# Altium PCB Science.PcbDoc (part 2 of 2)
Units mil, origin at the board's own origin, x right, y up, seen from the top; angles counter-clockwise.
Board outline 3573.07 x 2686.03 mil, 4 copper layers (Top Layer, Ground, Power, Bottom Layer), stack 23.756 mil thick; 94 components, 71 nets, 408 pads, 466 vias.
Unrouted connection lines stored in the file: 70.
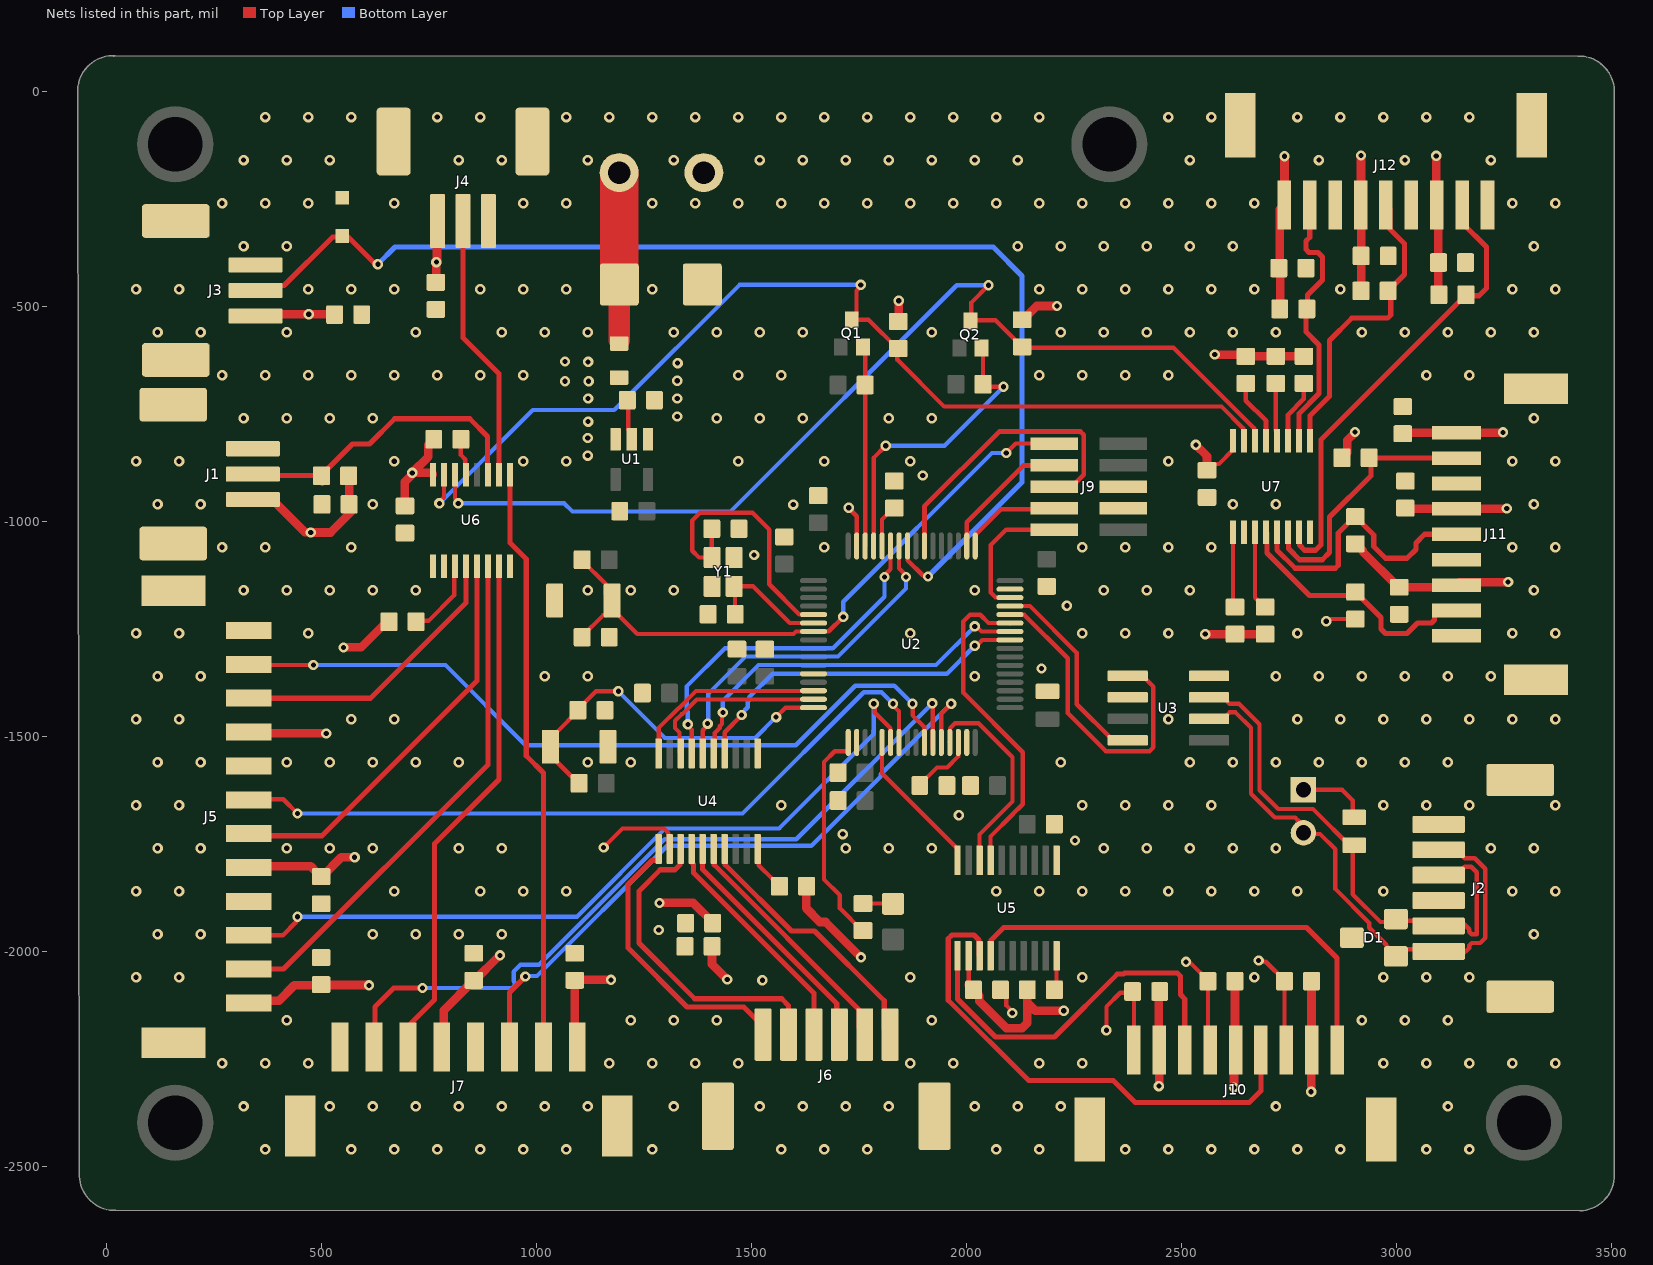
[diagram p4: the nets of this part, all layers, seen from the top]

## Via types
v1: diameter 24, hole 12, Top Layer to Bottom Layer, 357 vias
v2: diameter 24, hole 12, Top Layer to Bottom Layer, tented both sides, 109 vias

## Nets (pads, with @x,y where several pads share a name; then routed paths per layer and width w, separated by ;. In a path a pad name is that pad's centre, name@x,y a point inside that pad or via, vN(x,y) a via of type N, cw(c..) or ccw(c..) an arc to the next point about the centre after c; other vN are vias at no path point) (continued)
5V: C1.2 C2.2 C3.2 C4.2 C5.2 C6.2 C7.2 C8.2 C9.2 C25.2 C27.2 C29.2 C30.2 C31.2 C32.2 C33.2 C34.2 C35.2 C36.2 C37.2 C38.2 C39.2 F1.2 J1.3 J3.3 J4.3 J5.1 J5.5 J5.9 J7.1 J7.5 J10.2 J10.5 J10.8 J11.1 J11.4 J11.7 J12.1 J12.4 J12.7 R1.2 R2.2 R3.2 R4.2 R5.2 R6.2 R7.2 R14.2 R15.1 R17.2 R18.1 R19.1 R20.1 R21.1 R22.1 R23.1 R24.2 R25.2 U1.1 U1.3 U4.2 U5.2 U6.16 U7.16 | length 6899.1
  Top Layer w10: R1.2@563.99,-894 R1.2@565.04,-895.05 ; C4.2@565.04,-960.23 C4.2@565.11,-960.3 ; v2(1157,-1758) 1200.95,-1714.05 1297.07,-1714.05 1307.98,-1724.95 1307.98,-1759.02 U4.2@1310.46,-1761.5 ; U5.2@2005.43,-2010 2005.85,-2010.41 C27.2@2005.85,-2077.84 ; C30.2@2560,-881.01 2574.69,-866.32 2587.48,-866.32 2620.43,-833.37 U7.16@2620.43,-812.7 ; v2(2837,-1232) 2840.79,-1232 2845.8,-1226.99 R4.2@2905,-1226.99
  Top Layer w20: J5.1@311.99,-2126 323.5,-2114.48 402.08,-2114.48 437.88,-2078.69 498.3,-2078.69 499.03,-2077.96 610.82,-2077.96 v2(611.58,-2078.72) ; J5.9@322.15,-1486 328.39,-1492.23 511.23,-1492.23 v2(512,-1493) ; J5.5@328.58,-1802 475.99,-1802 488.35,-1814.35 488.35,-1816.32 498.03,-1826.01 C6.2@500,-1826.01 ; J1.3@330.52,-949.5 387.06,-949.5 462.64,-1025.08 475.36,-1025.08 v2(476.12,-1025.85) 521.86,-1025.85 C4.2@568.71,-979 ; J3.3@364.43,-518.37 C7.2@528.55,-518.37 ; C6.2@501.97,-1826.01 546.98,-1781 v2(578,-1781) ; v2(552,-1293) 593.01,-1293 R20.1@655.51,-1230.5 ; C4.2@565.04,-960.23 R1.2@565.04,-895.05 ; C29.2@695,-964 695,-907.79 712,-890.79 v2(712,-887) ; U6.16@760,-891.4 760,-888.89 758.11,-887 v2(712,-887) ; R19.1@762.01,-809 749.56,-821.45 749.56,-849.44 v2(712,-887) ; C8.2@767,-444 768,-443 v2(768,-397) 769.47,-395.53 769.47,-303.23 J4.3@770.94,-301.76 ; J7.5@785,-2254.94 785,-2136.99 C38.2@855,-2066.99 ; C38.2@855,-2068.96 914.96,-2009 v2(916,-2009) ; J7.1@1090.75,-2233.96 1090,-2233.21 C39.2@1090,-2066.99 1090.99,-2066 v2(1174,-2066) ; v2(1287,-1887) 1365.46,-1887 1412.46,-1934 C25.2@1410.5,-1934 ; C34.2@1408.96,-1988 1408.96,-2029.5 v2(1444.46,-2065) ; R15.1@1627.85,-1848.82 1627.85,-1899.65 1659.55,-1931.36 1672.95,-1931.36 v2(1755.3,-2013.7) ; R14.2@1842,-535 1843,-534 v2(1843,-487) ; C27.2@2005.85,-2077.84 C27.2@2017.01,-2089 2030.63,-2102.62 2030.63,-2115.63 2093,-2178 2130.29,-2178 2142.01,-2166.28 2142.01,-2119.01 ; R17.2@2130,-531.01 2131.97,-531.01 2163.98,-499 v2(2211,-499) ; R18.1@2142.01,-2089 2142.01,-2119.01 ; v2(2226.7,-2137.7) 2160.7,-2137.7 2142.01,-2119.01 ; v2(2448,-2313) 2448.57,-2312.43 2448.57,-2229.57 J10.8@2449.13,-2229 ; J10.8@2448,-2230.13 2448,-2092 C3.2@2454,-2086 ; v2(2534,-822) 2560,-848 C30.2@2560,-881.01 ; v2(2556,-1262) R23.1@2625,-1261.99 R22.1@2695,-1261.99 ; v2(2578,-612) 2645.99,-612 R21.1@2650,-616.01 R25.2@2720,-616.01 R24.2@2785,-616.01 ; v2(2622.67,-2316.4) 2622.67,-2230.03 2625,-2227.7 C2.2@2625,-2069 C2.2@2629,-2065 ; C35.2@2719.02,-411.97 C35.2@2726.01,-411.97 ; C35.2@2727.01,-411 2728.98,-409.03 2728.98,-274.75 J12.1@2739.72,-264 2740,-263.72 v2(2740,-151) ; R5.2@2730,-488.17 2730,-409.96 C35.2@2731.01,-410.97 ; v2(2802,-2326) 2802,-2230.46 J10.2@2803.46,-2229 2802.99,-2228.53 C1.2@2802.99,-2069 C1.2@2811,-2060.99 ; R2.2@2874.01,-852 2885.74,-840.27 2885.74,-811.92 2904,-793.66 v2(2904,-792) ; R3.2@2905,-1051.99 2906.97,-1051.99 2921.65,-1066.68 2921.65,-1069.62 3005.03,-1153 C33.2@3007,-1153 3135.06,-1153 J11.7@3140,-1148.06 3147.06,-1141 v2(3260,-1141) ; R6.2@2918.01,-464 2918.37,-463.64 C36.2@2918.37,-382.68 2918.37,-265.48 J12.4@2916.89,-264 2918,-262.89 v2(2918,-149) ; C31.2@3015,-796 3017.28,-793.72 v2@3246.19,-793.72 ; C32.2@3021,-968.99 3022.9,-970.89 J11.4@3140,-970.89 3140.44,-970.44 3256.56,-970.44 v2(3257,-970) ; v2(3093,-150) 3093,-262.94 J12.7@3094.06,-264 3098.01,-267.95 C37.2@3098.01,-398 3098.01,-472.01 R7.2@3099,-473
  other v2: 1120,-847 1120,-806 3248,-793 1121,-768 1328,-756 1121,-714 1328,-714 1067,-674 1122,-674 1328,-673 1329,-632 1121,-629 1067,-628 471.5,-518.37
CAN_RX: U2.45 U3.4 | length 473
  Top Layer w10: U2.45@2101.69,-1196.83 2148.19,-1196.83 2257,-1305.65 2257,-1424.94 2341.06,-1509 U3.4@2375.51,-1509
CAN_TX: U2.44 U3.1 | length 754.7
  Top Layer w10: U2.44@2101.69,-1216.52 2102.04,-1216.87 2134.68,-1216.87 2236,-1318.18 2236,-1445.49 2324.82,-1534.3 2426.21,-1534.3 2435.26,-1525.25 2435.26,-1384.3 2409.96,-1359 U3.1@2375.51,-1359
CANA_N: D1.1 H1.2 J2.1 J2.5 U3.6 | length 1368
  Top Layer w10: U3.6@2564.49,-1459 2598.94,-1459 2606.24,-1451.7 2606.24,-1449.86 2612.1,-1444 2626.24,-1444 2662,-1479.76 2662,-1633.14 2717.39,-1688.53 2764.79,-1688.53 2774.61,-1698.36 2774.61,-1714.61 H1.2@2784,-1724 2786.67,-1726.67 2822.67,-1726.67 2858.44,-1762.44 2858.44,-1854.82 2937.38,-1933.76 2937.38,-1944.9 2976.62,-1984.14 2976.62,-1985.68 2995.24,-2004.31 D1.1@3003.12,-2004.31 ; D1.1@2999.18,-2011.31 3015.93,-1994.56 3137.06,-1994.56 3151.85,-2009.35 3169.49,-1991.72 3169.49,-1985.84 3175.35,-1979.98 3195.26,-1979.98 3206.98,-1968.27 3206.98,-1807.42 3182.55,-1782.99 3159.11,-1782.99 3139.58,-1763.46 J2.5@3098.24,-1763.46
CANA_P: D1.2 J2.2 J2.4 R12.1 U3.7 | length 1265.1
  Top Layer w10: U3.7@2564.49,-1409 2598.94,-1409 2606.24,-1416.3 2606.24,-1418.14 2612.1,-1424 2634.52,-1424 2682,-1471.48 2682,-1624.86 2725.67,-1668.53 2806.53,-1668.53 2899,-1761 2899,-1867.1 2963.48,-1931.58 2986.3,-1931.58 3000.18,-1917.69 3003.12,-1917.69 3014.01,-1928.59 3149.82,-1928.59 3169.49,-1948.25 3169.49,-1954.13 3175.35,-1959.98 3186.98,-1959.98 3186.98,-1815.7 3174.27,-1802.99 3159.11,-1802.99 3139.58,-1822.52 J2.4@3098.24,-1822.52
"DHT22 - OUT": J1.2 R1.1 U6.11 | length 768
  Top Layer w12: J1.2@286.92,-893 500,-893 R1.1@501,-894 501,-892.03 573.26,-819.77 612.7,-819.77 671.27,-761.19 845.65,-761.19 887.06,-802.6 887.06,-890.51 U6.11@887.95,-891.4 ; R1.1@502.54,-911.72 R1.1@502.54,-906.72
DIR_BLOWER: J7.2 U6.9 | length 1372.8
  Top Layer w12: U6.9@939.13,-891.4 939.13,-1049.75 977,-1087.62 977,-1545.05 1016.85,-1584.9 J7.2@1016.85,-2232.05
DIR_DIG: J7.6 U6.7 | length 1217
  Top Layer w12: J7.6@701.89,-2232.05 709.15,-2224.78 709.15,-2166.85 764,-2112 764,-1749.6 913.54,-1600.06 U6.7@913.54,-1104 U6.7@914.43,-1104.89
DIR_LIFTA: J5.6 U6.5 | length 951.2
  Top Layer w12: J5.6@326.96,-1731 501.85,-1731 862.36,-1370.49 U6.5@862.36,-1104
DIR_LIFTB: J5.2 U6.6 | length 1214.5
  Top Layer w12: J5.2@332,-2040.92 412.8,-2040.92 887.95,-1565.77 U6.6@887.95,-1104
DIR_TEST_TUBE: J5.10 U6.4 | length 687.4
  Top Layer w12: J5.10@326.46,-1411 615,-1411 836.77,-1189.23 U6.4@836.77,-1104
GND: C1.1 C2.1 C3.1 C4.1 C5.1 C6.1 C7.1 C8.1 C9.1 C10.1 C11.1 C12.1 C13.1 C14.1 C15.1 C16.2 C17.1 C18.1 C19.1 C20.1 C21.1 C22.1 C23.1 C24.1 C25.1 C26.2 C27.1 C28.2 C29.1 C30.1 C31.1 C32.1 C33.1 C34.1 C35.1 C36.1 C37.1 C38.1 C39.1 D1.3 D2.2 D3.1 J1.0 J1.1 J2.0 J2.3 J2.6 J3.0 J3.1 J4.0 J4.1 J5.0 J5.4 J5.8 J5.12 J6.0 J7.0 J7.4 J7.8 J8.1 J9.3 J9.5 J10.0 J10.3 J10.6 J10.9 J11.0 J11.3 J11.6 J11.9 J12.0 J12.3 J12.6 J12.9 R8.2 S1.2 S2.1 U1.2 U2.12 U2.18 U2.31 U2.47 U2.63 U3.2 U3.8 U4.11 U5.11 U6.1 U6.2 U6.8 U7.2 U7.8 Y1.2 Y1.4 | length 986.9
  Top Layer w10: C9.1@1213.96,-731 1213.96,-785.79 1222.4,-794.24 U1.2@1222.4,-809 ; v2(1727,-968) 1727,-969.4 1745.39,-987.79 U2.63@1745.39,-1057.07 ; C27.1@2080,-2089 2093.44,-2102.44 2093.44,-2125.65 2107,-2139.21 v2(2107,-2143) ; v2(2326,-2183) 2326,-2128.11 2358.17,-2095.94 2384.06,-2095.94 C3.1@2387,-2093 2390.08,-2096.08 J10.9@2390.08,-2229 ; v2(2511,-2024) 2513.68,-2026.68 2521.66,-2026.68 2562.01,-2067.03 C2.1@2562.01,-2069 2562.01,-2223.76 J10.6@2567.24,-2229 ; v2(2680,-2021) 2682.68,-2023.68 2696.65,-2023.68 2740,-2067.03 C1.1@2740,-2069 2740,-2224.59 J10.3@2744.41,-2229
  other v1: 370,-2460 570,-2460 670,-2460 770,-2460 870,-2460 970,-2460 1070,-2460 1270,-2460 1570,-2460 1670,-2460 1770,-2460 2070,-2460 2170,-2460 2370,-2460 2470,-2460 2570,-2460 2670,-2460 2770,-2460 2870,-2460 3070,-2460 3170,-2460 320,-2360 520,-2360 620,-2360 720,-2360 820,-2360 920,-2360 1020,-2360 1120,-2360 1320,-2360 1520,-2360 1620,-2360 1720,-2360 1820,-2360 2020,-2360 2120,-2360 2220,-2360 2720,-2360 3120,-2360 270,-2260 370,-2260 470,-2260 1170,-2260 1270,-2260 1370,-2260 1470,-2260 1870,-2260 1970,-2260 2170,-2260 2270,-2260 2970,-2260 3070,-2260 3170,-2260 3270,-2260 3370,-2260 420,-2160 1220,-2160 1320,-2160 1420,-2160 1920,-2160 2920,-2160 3020,-2160 3120,-2160 1526,-2067 70,-2060 170,-2060 1870,-2060 2270,-2060 2670,-2060 2970,-2060 3070,-2060 3170,-2060 120,-1960 220,-1960 620,-1960 720,-1960 820,-1960 920,-1960 3320,-1960 1285,-1950 70,-1860 170,-1860 670,-1860 870,-1860 970,-1860 1070,-1860 2070,-1860 2170,-1860 2270,-1860 2370,-1860 2470,-1860 2570,-1860 2670,-1860 2770,-1860 2970,-1860 3270,-1860 3370,-1860 120,-1760 220,-1760 420,-1760 520,-1760 620,-1760 820,-1760 920,-1760 1720,-1760 1820,-1760 1920,-1760 2320,-1760 2420,-1760 2520,-1760 2620,-1760 2720,-1760 3220,-1760 3320,-1760 70,-1660 170,-1660 1570,-1660 2270,-1660 2370,-1660 2470,-1660 2570,-1660 2970,-1660 3070,-1660 3170,-1660 3370,-1660 120,-1560 220,-1560 420,-1560 520,-1560 620,-1560 720,-1560 820,-1560 1120,-1560 1220,-1560 2220,-1560 2520,-1560 2620,-1560 2720,-1560 2820,-1560 2920,-1560 3020,-1560 3120,-1560 70,-1460 170,-1460 570,-1460 670,-1460 2470,-1460 2770,-1460 2870,-1460 2970,-1460 3070,-1460 3170,-1460 3270,-1460 3370,-1460 120,-1360 220,-1360 1020,-1360 1120,-1360 2020,-1360 2720,-1360 2820,-1360 2920,-1360 3020,-1360 3120,-1360 3220,-1360 70,-1260 170,-1260 470,-1260 1870,-1260 2270,-1260 2370,-1260 2470,-1260 2770,-1260 3270,-1260 3370,-1260 320,-1160 420,-1160 520,-1160 620,-1160 720,-1160 1120,-1160 1220,-1160 1320,-1160 2020,-1160 2320,-1160 2420,-1160 2520,-1160 3320,-1160 1507,-1078 270,-1060 370,-1060 570,-1060 1670,-1060 2270,-1060 2370,-1060 2470,-1060 2570,-1060 3270,-1060 3370,-1060 120,-960 220,-960 620,-960 2620,-960 2720,-960 3320,-960 70,-860 170,-860 670,-860 970,-860 1070,-860 1470,-860 1670,-860 1870,-860 2470,-860 3270,-860 3370,-860 320,-760 420,-760 520,-760 620,-760 1420,-760 1520,-760 1620,-760 1820,-760 1920,-760 3320,-760 270,-660 370,-660 470,-660 570,-660 670,-660 770,-660 870,-660 970,-660 1470,-660 1570,-660 2170,-660 2270,-660 2370,-660 2470,-660 3070,-660 3170,-660 120,-560 220,-560 420,-560 720,-560 920,-560 1020,-560 1120,-560 1320,-560 1420,-560 1520,-560 1620,-560 1920,-560 2220,-560 2320,-560 2420,-560 2520,-560 2620,-560 2720,-560 2920,-560 3020,-560 3120,-560 3220,-560 3320,-560 70,-460 170,-460 470,-460 570,-460 670,-460 870,-460 970,-460 1070,-460 1270,-460 2170,-460 2270,-460 2370,-460 2470,-460 2570,-460 2670,-460 2870,-460 3270,-460 3370,-460 320,-360 420,-360 2120,-360 2220,-360 2320,-360 2420,-360 2520,-360 2620,-360 3320,-360 270,-260 370,-260 470,-260 670,-260 970,-260 1070,-260 1270,-260 1370,-260 1470,-260 1570,-260 1670,-260 1770,-260 1870,-260 1970,-260 2070,-260 2170,-260 2270,-260 2370,-260 2470,-260 2570,-260 2670,-260 3270,-260 3370,-260 320,-160 420,-160 520,-160 820,-160 920,-160 1120,-160 1320,-160 1520,-160 1620,-160 1720,-160 1820,-160 1920,-160 2020,-160 2120,-160 2520,-160 2820,-160 3020,-160 3220,-160 370,-60 470,-60 570,-60 770,-60 870,-60 1070,-60 1170,-60 1270,-60 1370,-60 1470,-60 1570,-60 1670,-60 1770,-60 1870,-60 1970,-60 2070,-60 2170,-60 2470,-60 2570,-60 2770,-60 2870,-60 2970,-60 3070,-60 3170,-60
  other v2: 2253,-1742 1713,-1727 1983,-1683 2175,-1342 2234,-1196 1598,-961 1899,-893
I2C_SCL_3V3: Q2.2 R16.1 U2.61 | length 711.3
  Top Layer w10: U2.61@1784.42,-1057.42 U2.61@1784.76,-1057.07 1784.76,-852.24 v2(1813,-824) ; Q2.2@2035.59,-596.99 2038.99,-600.39 R16.1@2038.99,-681 2044.89,-686.9 v2(2086.69,-686.9)
  Bottom Layer w10: v2(1813,-824) 1949.59,-824 v2(2086.69,-686.9)
I2C_SCL_5V0: Q2.3 R17.1 U6.14 U7.14 | length 2418
  Top Layer w10: U6.14@811.18,-891.4 811.18,-946.39 819,-954.21 v2(819,-958) ; v2(2052,-451) 2011.99,-491.01 2011.99,-532.01 2068.01,-532.01 2132,-596 2482.16,-596 2669.72,-783.57 2669.72,-810.81 U7.14@2671.61,-812.7
  Bottom Layer w10: v2(819,-958) 1065.49,-958 1084.49,-977 1452.18,-977 1978.18,-451 v2(2052,-451)
I2C_SDA_3V3: Q1.2 R13.1 U2.62 | length 465.2
  Top Layer w10: Q1.2@1760,-594 1765.08,-599.08 R13.1@1765.08,-682.73 U2.62@1765.08,-1057.07
I2C_SDA_5V0: Q1.3 R14.1 U6.15 U7.15 | length 2410.6
  Top Layer w10: v2(775,-958) 775,-954.21 785.59,-943.62 U6.15@785.59,-891.4 ; v2(1755,-450) 1755,-453.79 1745.16,-463.63 1745.16,-520.26 Q1.3@1734.41,-531.01 1773.05,-531.01 R14.1@1840.03,-597.99 ; R14.1@1840,-598.02 1840,-624.21 1948.68,-732.89 2593.45,-732.89 2644.13,-783.57 2644.13,-810.81 U7.15@2646.02,-812.7
  Bottom Layer w10: v2(775,-958) 992,-741 1181.82,-741 1472.82,-450 v2(1755,-450)
JTDI: J9.8 U2.50 | length 314
  Top Layer w11: U2.50@2001.3,-1057.07 2001.3,-1001.7 2133,-870 2204,-870 J9.8@2205,-869
JTDO/TRACESWO: J9.6 U2.55 | length 710.2
  Top Layer w11: U2.55@1902.87,-1057.07 1903.03,-1056.92 1903.03,-964.97 2077,-791 2265.59,-791 2273.5,-798.91 2273.5,-891 2245.5,-919 J9.6@2205,-919
LED_G_n: R11.2 U2.17 | length 517.5
  Top Layer w10: U2.17@1725.71,-1513.76 1725.71,-1533.52 1724.87,-1534.35 1694.24,-1534.35 1669.32,-1559.27 1669.32,-1832.34 1706.34,-1869.35 1706.34,-1899.59 1758.03,-1951.28 R11.2@1760,-1951.28
LIFTA_ENC_CHANNEL_A_3V3: U2.41 U4.14 | length 815.9
  Top Layer w10: U4.14@1438.41,-1539.5 1438.41,-1489.99 1477.8,-1450.6 v2(1477.8,-1450.06) ; v2(2020,-1289) 2023.79,-1289 2037.21,-1275.57 U2.41@2101.69,-1275.57
  Bottom Layer w10: v2(1477.8,-1450.06) 1477.8,-1446.27 1492.04,-1432.03 1492.04,-1419.04 1495.48,-1415.59 1495.48,-1408.52 1550,-1354 1955,-1354 v2(2020,-1289)
LIFTA_ENC_CHANNEL_A_5V: J6.4 U4.5 | length 613.2
  Top Layer w12: U4.5@1387.23,-1761.5 1387.23,-1809.32 1698.92,-2121.01 1698.92,-2235.6 J6.4@1706,-2242.69
LIFTA_ENC_CHANNEL_B_3V3: U2.42 U4.15 | length 875.6
  Top Layer w10: U4.15@1412.82,-1539.5 1415.3,-1537.02 1415.3,-1491.88 1427,-1480.18 1427,-1476.09 1432,-1471.09 1432,-1446.3 v2(1434.21,-1444.09) ; v2(2020,-1244) 2023.79,-1244 2035.68,-1255.89 U2.42@2101.69,-1255.89
  Bottom Layer w10: v2(1434.21,-1444.09) 1434.21,-1416.79 1517,-1334 1930,-1334 v2(2020,-1244)
LIFTA_ENC_CHANNEL_B_5V: J6.3 U4.4 | length 549.3
  Top Layer w12: U4.4@1361.64,-1761.5 1363.12,-1762.98 1363.12,-1794.35 1365.75,-1796.98 1365.75,-1816.79 1645.94,-2096.99 J6.3@1645.94,-2193
LIFTB_ENC_CHANNEL_A_3V3: U2.58 U4.16 | length 810.9
  Top Layer w10: U4.16@1387.23,-1539.5 1387.23,-1485.36 1398.71,-1473.88 v2(1398.71,-1470.09) ; U2.58@1843.82,-1057.07 1843.82,-1109.03 1860,-1125.21 v2(1860,-1129)
  Bottom Layer w10: v2(1398.71,-1470.09) 1400,-1468.8 1400,-1401 1487,-1314 1702,-1314 1860,-1156 v2(1860,-1129)
LIFTB_ENC_CHANNEL_A_5V: J6.6 U4.7 | length 624.3
  Top Layer w12: U4.7@1439.89,-1760.02 U4.7@1438.41,-1761.5 1439.89,-1762.98 1439.89,-1798.46 1593.79,-1952.36 1647.36,-1952.36 1809.43,-2114.43 1809.43,-2179.31 J6.6@1823.11,-2193
LIFTB_ENC_CHANNEL_B_3V3: U2.59 U4.17 | length 830.7
  Top Layer w10: v2(1352.83,-1471.83) 1352.83,-1475.62 1361.64,-1484.43 U4.17@1361.64,-1539.5 ; v2(1810,-1129) 1810,-1125.21 1824.13,-1111.08 U2.59@1824.13,-1057.07
  Bottom Layer w10: v2(1352.83,-1471.83) 1352.83,-1442.66 1350,-1439.83 1350,-1384 1439,-1295 1690,-1295 1810,-1175 v2(1810,-1129)
LIFTB_ENC_CHANNEL_B_5V: J6.5 U4.6 | length 580.3
  Top Layer w12: U4.6@1414.3,-1760.02 U4.6@1412.82,-1761.5 1414.3,-1762.98 1414.3,-1798.46 1750.37,-2134.53 1750.37,-2176.37 J6.5@1767,-2193
LIM_SW1: J11.8 R4.1 U7.4 | length 619.1
  Top Layer w10: U7.4@2697.2,-1025.3 U7.4@2699.09,-1027.19
  Top Layer w12: U7.4@2699.09,-1027.19 2699.09,-1073.09 2798.07,-1172.07 2896.93,-1172.07 R4.1@2905,-1164 2964.35,-1223.35 2964.35,-1250.17 2974.85,-1260.68 3025.15,-1260.68 3049.41,-1236.42 3081.88,-1236.42 3088.91,-1229.39 3088.91,-1216.86 3098.66,-1207.11 J11.8@3140,-1207.11
LIM_SW2: J11.5 R3.1 U7.5 | length 658.5
  Top Layer w12: U7.5@2722.8,-1025.3 2722.8,-1066.8 2765,-1109 2857.97,-1109 2865,-1101.97 2865,-1027.03 2903.03,-989 R3.1@2905,-989 2906.97,-989 2920.65,-1002.69 2920.65,-1004.65 2947.75,-1031.75 2947.75,-1058.58 2974.85,-1085.68 3025.15,-1085.68 3045.55,-1065.28 3045.55,-1050.34 3065.94,-1029.94 J11.5@3140,-1029.94
LIM_SW3: J11.2 R2.1 U7.6 | length 605.6
  Top Layer w12: U7.6@2748.39,-1025.3 2749.28,-1026.19 2749.28,-1063.28 2775,-1089 2827.97,-1089 2845,-1071.97 2845,-989.59 2940.98,-893.61 2940.98,-859.81 2948.01,-852.78 J11.2@3140,-852.78
LIM_SW4: J12.8 R7.1 U7.7 | length 1083
  Top Layer w12: U7.7@2773.98,-1025.3 2774.87,-1026.19 2774.87,-1054.85 2786.88,-1066.86 2812.26,-1066.86 2825,-1054.11 2825,-809.99 3146.34,-488.65 3148.31,-488.65 3161.99,-474.97 R7.1@3161.99,-473 ; J12.8@3153.11,-264 3153.11,-305.34 3209.93,-362.16 3209.93,-458.01 3192.65,-475.29 3170.08,-475.29 R7.1@3165.66,-470.87
LIM_SW5: J12.5 R6.1 U7.9 | length 708.7
  Top Layer w12: U7.9@2799.57,-812.7 2799.57,-754.43 2845,-709 2845,-579 2896.64,-527.36 2979.96,-527.36 2986.99,-520.33 R6.1@2986.99,-464 ; J12.5@2975.94,-264 2985.69,-273.75 2985.69,-320.82 3019,-354.13 3019,-426 R6.1@2981,-464
LIM_SW6: J12.2 R5.1 U7.10 | length 628.8
  Top Layer w12: U7.10@2773.98,-812.7 2773.98,-749.43 2820.65,-702.75 2820.65,-589.57 2790,-558.92 2790,-506 2793.62,-502.38 2793.62,-473.38 2828.69,-438.31 2828.69,-384.85 2818.18,-374.35 2797.03,-374.35 2790,-367.32 2790,-347.87 2798.78,-339.09 J12.2@2798.78,-264
NetC11_2: C11.2 U2.6 Y1.1 | length 285.9
  Top Layer w10: C11.2@1463,-1216 1462.27,-1215.27 1462.27,-1152.65 Y1.1@1460.55,-1150.93 1504.44,-1150.93 1589.72,-1236.2 U2.6@1645,-1236.2
NetC12_2: C12.2 U2.5 Y1.3 | length 645.3
  Top Layer w10: C12.2@1408.5,-1024 1408.5,-1083.13 Y1.3@1409.37,-1084 1379,-1084 1363,-1068 1363,-998 1381,-980 1503,-980 1542,-1019 1542,-1146.16 1612.01,-1216.17 1644.65,-1216.17 U2.5@1645,-1216.52
NetC14_2: C14.2 U2.30 | length 151.4
  Top Layer w10: C14.2@1892.01,-1614 1892.01,-1612.03 1931.99,-1572.05 1955.97,-1572.05 1981.27,-1546.75 1981.27,-1514.11 U2.30@1981.61,-1513.76
NetC15_2: C15.2 R10.1 S2.2 U2.16 | length 868.6
  Top Layer w10: R10.1@1100,-1609 1100,-1607.03 1085.31,-1592.35 1081.73,-1592.35 1033.07,-1543.68 S2.2@1033.07,-1524 1033.07,-1504.32 1047.76,-1489.63 1048.35,-1489.63 1097.01,-1440.97 C15.2@1097.01,-1439 1097.01,-1437.03 1139.04,-1395 1191,-1395 v2(1191.28,-1394.72) ; v2(1558,-1455) 1579.94,-1433.06 U2.16@1645,-1433.06
  Bottom Layer w10: v2(1191.28,-1394.72) 1191.28,-1395.28 1299.35,-1503.35 1509.65,-1503.35 v2(1558,-1455)
NetD2_1: D2.1 F1.1 J8.2 | length 395
  Top Layer w50: F1.1@1193.54,-579 D2.1@1193.54,-449
  Top Layer w90: D2.1@1193.15,-454 J8.2@1193.15,-189
NetH1_1: H1.1 R12.2 | length 200.7
  Top Layer w10: H1.1@2764.04,-1604.04 H1.1@2784,-1624 2874.12,-1624 2899,-1648.88 R12.2@2899,-1696.04
NetLED1_2: LED1.2 R11.1 | length 75.4
  Top Layer w10: R11.1@1763.63,-1891.92 R11.1@1760,-1888.29 1829.29,-1888.29 LED1.2@1830,-1889
NetR8_1: R8.1 U2.60 | length 101.1
  Top Layer w10: U2.60@1804.45,-1057.07 1804.45,-995.58 1831.03,-969 R8.1@1833,-969
NetR15_2: R15.2 U4.10 | length 108.7
  Top Layer w10: U4.10@1515.18,-1761.5 1517.66,-1763.98 1517.66,-1799.66 1549.35,-1831.35 1551.31,-1831.35 1566,-1846.03 R15.2@1566,-1848
NetR18_2: R18.2 U5.10 | length 81.1
  Top Layer w10: R18.2@2205,-2089 2210.16,-2083.84 U5.10@2210.16,-2010
NetR19_2: R19.2 U6.13 | length 87.3
  Top Layer w10: R19.2@825,-809 825,-845.65 834.88,-855.54 834.88,-889.51 U6.13@836.77,-891.4
NetR20_2: R20.2 U6.3 | length 182.2
  Top Layer w10: R20.2@721,-1233 722.83,-1231.17 749.83,-1231.17 809.29,-1171.71 809.29,-1105.89 U6.3@811.18,-1104
NetR21_2: R21.2 U7.13 | length 153.3
  Top Layer w11: R21.2@2650,-679 2650,-719.01 2697.2,-766.21 U7.13@2697.2,-812.7
NetR22_2: R22.2 U7.3 | length 184.5
  Top Layer w10: U7.3@2671.61,-1025.3 2671.61,-1177.58 2693.03,-1199 R22.2@2695,-1199
NetR23_2: R23.2 U7.1 | length 175.6
  Top Layer w10: U7.1@2620.43,-1025.3 2620.43,-1194.43 R23.2@2625,-1199
NetR24_1: R24.1 U7.11 | length 148.9
  Top Layer w11: U7.11@2748.39,-812.7 2748.39,-751.69 2785,-715.07 R24.1@2785,-679
NetR25_1: R25.1 U7.12 | length 134.9
  Top Layer w11: R25.1@2720,-679 2720,-789.24 2722.8,-792.03 U7.12@2722.8,-812.7
NRST: C13.2 J9.10 R9.1 S1.1 U2.7 | length 1497.9
  Top Layer w10: C13.2@1107.01,-1269 1107.01,-1267.03 1155.67,-1218.37 1162.24,-1218.37 S1.1@1176.93,-1203.68 ; R9.1@1107.01,-1089 1107.01,-1090.97 1162.24,-1146.2 1162.24,-1169.31 S1.1@1176.93,-1184 S1.1@1176.93,-1203.68 ; v2(1714,-1222) 1680.46,-1255.54 1645.35,-1255.54 U2.7@1645,-1255.89 1604.36,-1255.89 1598.5,-1261.75 1234.99,-1261.75 S1.1@1176.93,-1203.68 ; v2(2093,-841) 2115,-819 J9.10@2205,-819
  Bottom Layer w10: v2(1714,-1222) 1714,-1186.82 2059.82,-841 v2(2093,-841)
PWM_BLOWER: J7.3 U2.28 | length 1561.4
  Top Layer w10: U2.28@1942.24,-1513.76 1942.24,-1446.76 v2(1965,-1424)
  Top Layer w12: J7.3@938,-2249.34 938,-2095 v2(975,-2058)
  Bottom Layer w10: v2(975,-2058) 976,-2057 1002,-2057 1305,-1754 1640,-1754 1801.16,-1592.84 1801.16,-1587.84 v2(1965,-1424)
PWM_DIG: J7.7 U2.27 | length 1859.4
  Top Layer w10: v2(1921.01,-1423) 1922.21,-1424.2 U2.27@1922.21,-1530.06
  Top Layer w12: J7.7@625,-2271.07 625,-2129 669,-2085 v2(736,-2085)
  Bottom Layer w10: v2(736,-2085) 943.82,-2085 949.67,-2079.14 949.67,-2070.86 948,-2069.18 948,-2046.82 963.82,-2031 1006.79,-2031 1298.79,-1739 1605.01,-1739 v2(1921.01,-1423)
PWM_Dirt_3V3: U2.29 U5.18 | length 487.6
  Top Layer w10: U2.29@1961.93,-1513.76 1962.28,-1513.42 1962.28,-1480.78 1973.78,-1469.27 2028.81,-1469.27 2107.68,-1548.14 2107.68,-1651.32 2031.02,-1727.98 U5.18@2031.02,-1788
PWM_Dirt_5V: J10.4 U5.3 | length 1191.5
  Top Layer w12: U5.3@2031.02,-2010 2029.54,-2008.52 2029.54,-1973.04 2018.05,-1961.55 1967.22,-1961.55 1958.36,-1970.41 1958.36,-2113.23 2145.22,-2300.09 2342.09,-2300.09 2393,-2351 2658,-2351 2685.35,-2323.65 J10.4@2685.35,-2229
PWM_LIFTA: J5.7 U2.23 | length 1749.3
  Top Layer w10: J5.7@317.84,-1646 412,-1646 v2(445,-1679) ; v2(1830,-1424) 1830,-1427.79 1843.82,-1441.61 U2.23@1843.82,-1513.76
  Bottom Layer w10: v2(445,-1679) 1480,-1679 1762,-1397 1803,-1397 v2(1830,-1424)
PWM_LIFTB: J5.3 U2.22 | length 1828.3
  Top Layer w10: J5.3@332,-1962.18 411.18,-1962.18 442.42,-1930.95 442.42,-1921.77 v2(445.1,-1919.1) ; v2(1785,-1424) 1787.68,-1426.68 1787.68,-1444.67 1823.79,-1480.78 1823.79,-1513.42 U2.22@1824.13,-1513.76
  Bottom Layer w10: v2(445.1,-1919.1) 445.19,-1919 1095,-1919 1300,-1714 1565,-1714 1785,-1494 v2(1785,-1424)
PWM_Read_Head_3V3: U2.43 U5.17 | length 767.5
  Top Layer w10: U5.17@2056.61,-1788 2056.61,-1732.39 2109.32,-1679.68 2109.32,-1679.27 2119.24,-1669.35 2119.65,-1669.35 2131.5,-1657.5 2131.5,-1536.5 1993,-1398 1993,-1232.82 2008.82,-1217 2032.61,-1217 2051.82,-1236.2 U2.43@2101.69,-1236.2 U2.43@2102.04,-1236.55
PWM_Read_Head_5V: J10.1 U5.4 | length 1097.5
  Top Layer w12: U5.4@2056.61,-2010 2058.09,-2008.52 2058.09,-1973.04 2087.13,-1944 2791.6,-1944 2862.52,-2014.92 J10.1@2862.52,-2229
PWM_TEST_TUBE: J5.11 U2.26 | length 1797
  Top Layer w10: J5.11@332,-1332.26 333.74,-1334 v2(482,-1334) ; v2(1875,-1424) 1875.46,-1424.46 1875.46,-1451 1902.53,-1478.06 1902.53,-1513.42 U2.26@1902.87,-1513.76
  Bottom Layer w10: v2(482,-1334) 789.08,-1334 975.58,-1520.5 1603.5,-1520.5 1742,-1382 1833,-1382 v2(1875,-1424)
PWM_Test_Tube_3V3: U2.21 U5.20 | length 346.9
  Top Layer w10: U2.21@1804.45,-1513.76 1804.45,-1585.64 1979.84,-1761.03 U5.20@1979.84,-1788
PWM_Test_Tube_5V: J10.7 U5.1 | length 895.7
  Top Layer w12: U5.1@1979.84,-2010 1979.84,-2110.67 2068.18,-2199 2205,-2199 2351.32,-2052.68 2359.5,-2052.68 2359.83,-2052.35 2365.83,-2052.35 2367.83,-2050.35 2490.97,-2050.35 2498,-2057.38 2498,-2100 2508.19,-2110.19 J10.7@2508.19,-2229
"SEN0114 - OUT": J4.2 U6.10 | length 624.3
  Top Layer w12: J4.2@830,-301.76 830,-572.97 913.54,-656.51 U6.10@913.54,-891.4
"SEN0219 - OUT": D3.2 J3.2 U2.57 | length 2815.7
  Top Layer w10: U2.57@1863.5,-1057.07 1863.85,-1057.42 1863.85,-1090.06 1899.11,-1125.32 1908.32,-1125.32 v2(1911,-1128)
  Top Layer w12: J3.2@321.82,-463.1 333.64,-451.28 414.01,-451.28 526.3,-339 549,-339 563.58,-339 624.29,-399.7 629.7,-399.7 v2(632,-402)
  Bottom Layer w12: v2(632,-402) 672,-362 2063,-362 2130,-429 2130,-909 v2(1911,-1128)
SWD_CLK: J9.4 U2.49 | length 235.5
  Top Layer w10: U2.49@2020.98,-1057.07 2020.98,-1031.48 2080.46,-972 2202,-972 J9.4@2205,-969
SWD_IO: J9.2 U2.46 | length 322.5
  Top Layer w10: U2.46@2101.69,-1177.15 2101.35,-1176.8 2074.48,-1176.8 2074.04,-1176.37 2068.27,-1176.37 2057.2,-1165.3 2057.2,-1054.8 2093,-1019 J9.2@2205,-1019
TEST_TUBE_ENC_CHANNEL_A_3V3: U2.14 U4.20 | length 455.2
  Top Layer w10: U4.20@1284.87,-1539.5 1284.87,-1480.39 1331.61,-1433.65 1332.76,-1433.65 1371.95,-1394.46 1617.35,-1394.46 1617.78,-1394.03 1644.65,-1394.03 U2.14@1645,-1393.69
TEST_TUBE_ENC_CHANNEL_A_5V: J6.1 U4.1 | length 676.7
  Top Layer w12: U4.1@1284.87,-1761.5 1284.87,-1786.71 1283.39,-1788.19 1268.83,-1788.19 1214,-1843.02 1214,-1992.01 1350.99,-2129 1483,-2129 1527.83,-2173.83 J6.1@1527.83,-2193
TEST_TUBE_ENC_CHANNEL_B_3V3: U2.15 U4.18 | length 424.2
  Top Layer w10: U4.18@1336.05,-1539.5 1333.57,-1537.02 1333.57,-1490.75 1323,-1480.18 1323,-1463.47 1337.82,-1448.65 1338.98,-1448.65 1373.48,-1414.15 1617.35,-1414.15 1617.78,-1413.72 1644.65,-1413.72 U2.15@1645,-1413.37
TEST_TUBE_ENC_CHANNEL_B_5V: J6.2 U4.3 | length 754.2
  Top Layer w12: U4.3@1336.05,-1761.5 1334.57,-1762.98 1334.57,-1798.46 1323.08,-1809.95 1288.73,-1809.95 1239,-1859.68 1239,-1980 1369,-2110 1571,-2110 1586.89,-2125.89 J6.2@1586.89,-2193
pads on no net: J9.7 J9.9 U1.4 U2.2 U2.3 U2.4 U2.8 U2.9 U2.10 U2.11 U2.20 U2.24 U2.25 U2.33 U2.34 U2.35 U2.36 U2.37 U2.38 U2.39 U2.40 U2.51 U2.52 U2.53 U2.54 U2.56 U3.5 U4.8 U4.9 U4.12 U4.13 U5.5 U5.6 U5.7 U5.8 U5.9 U5.12 U5.13 U5.14 U5.15 U5.16 U6.12

## Polygon pours and split planes (outlines as drawn)
5V on Power "5V_L03_P014" (solid, remove dead copper, pour order 14): -61.9,-2522.12 -65.65,-3.88 cw(c-61,-2) -66.01,-2.16 cw(c16.5,0.5) 13.84,83.01 cw(c14,78) 17.5,81.59 cw(c21,78) 21,83.01 3421.92,82.02 cw(c3424.5,-0.5) 3507.01,2.16 cw(c3502,2) 3507.02,2 3507.02,-2517.93 cw(c3424.5,-2520.5) 3507.06,-2520.5 cw(c3424.5,-2520.5) 3427.16,-2603.01 cw(c3427,-2598) 3427,-2603.02 23.08,-2602.01 cw(c20.5,-2519.61) -61.89,-2522.27 cw(c-56.88,-2522.11)
3V3 on Power "3V3_L03_P005" (solid, pour order 5): 1380,-608 1380,-783 1284,-783 1282,-785 1282,-869 1216.8,-869 1108,-977.8 1108,-1633 1107,-1634 1441,-1968 2341,-1968 2342,-1967 2342,-1562 2447,-1562 2448,-1561 2448,-683 2315,-683 2204,-572 1416,-572
GND on Top Layer "GND_L01_P012" (solid, remove dead copper, pour order 12): -61.9,-2522.12 -65.65,-3.88 cw(c-61,-2) -66.01,-2.16 cw(c16.5,0.5) 13.84,83.01 cw(c14,78) 17.5,81.59 cw(c21,78) 21,83.01 3421.92,82.02 cw(c3424.5,-0.5) 3507.01,2.16 cw(c3502,2) 3507.02,2 3507.02,-2517.93 cw(c3424.5,-2520.5) 3507.06,-2520.5 cw(c3424.5,-2520.5) 3427.16,-2603.01 cw(c3427,-2598) 3427,-2603.02 23.08,-2602.01 cw(c20.5,-2519.61) -61.89,-2522.27 cw(c-56.88,-2522.11)
5V on Top Layer "5V_L01_P000" (solid, pour order 0): 1173,-763.76 1203,-765 1203,-825.72 1197.96,-840.85 1164.81,-874 1102,-874 1089.76,-861.76 1089.76,-695.55 1037,-695.55 1037,-593 1207,-593 1253,-639 1273,-639 1316,-596 1365,-596 1365,-760 1346,-779 1345.58,-778.58 1300.58,-778.58 1287,-765 1277,-765 1277,-840.74 1276.89,-840.85 1273.66,-837.62 1240.56,-837.62 1240.56,-769.56 1240.56,-695.55 1173,-695.55
3V3 on Top Layer "3V3_L01_P007" (solid, pour order 7): 1302,-794 1226,-870 1226,-1035 1351,-1035 1444,-942 1439,-937 1439,-788 1307,-788 1302,-793
GND on Ground "GND_L02_P013" (solid, remove dead copper, pour order 13): -61.9,-2522.12 -65.65,-3.88 cw(c-61,-2) -66.01,-2.16 cw(c16.5,0.5) 13.84,83.01 cw(c14,78) 17.5,81.59 cw(c21,78) 21,83.01 3421.92,82.02 cw(c3424.5,-0.5) 3507.01,2.16 cw(c3502,2) 3507.02,2 3507.02,-2517.93 cw(c3424.5,-2520.5) 3507.06,-2520.5 cw(c3424.5,-2520.5) 3427.16,-2603.01 cw(c3427,-2598) 3427,-2603.02 23.08,-2602.01 cw(c20.5,-2519.61) -61.89,-2522.27 cw(c-56.88,-2522.11)
GND on Bottom Layer "GND_L04_P015" (solid, remove dead copper, pour order 15): -61.9,-2522.12 -65.65,-3.88 cw(c-61,-2) -66.01,-2.16 cw(c16.5,0.5) 13.84,83.01 cw(c14,78) 17.5,81.59 cw(c21,78) 21,83.01 3421.92,82.02 cw(c3424.5,-0.5) 3507.01,2.16 cw(c3502,2) 3507.02,2 3507.02,-2517.93 cw(c3424.5,-2520.5) 3507.06,-2520.5 cw(c3424.5,-2520.5) 3427.16,-2603.01 cw(c3427,-2598) 3427,-2603.02 23.08,-2602.01 cw(c20.5,-2519.61) -61.89,-2522.27 cw(c-56.88,-2522.11)

## Silkscreen, mask and mechanical layers (free items; w line width, h text height)
Top Overlay:
  drawing of 17 lines, arcs and shapes, not listed
  text "SEN0114" at 940,68.28 h60 r180
  text "PROXIMITY SENSOR" at 3241,64.28 h60 r180
  text "GND" at 1422,61.28 h60 r180
  text "5V" at 1219,58.28 h60 r180
  text "SCIENCE-REV 4           FEB 2022 IVAN LIM" at 1693,-305 h60
  text "SEN0219" at -32.28,-359 h60 r270
  text "Debug" at 2245,-762.73 h60
  text "DHT22" at -32,-876 h60 r270
  text "PROXIMITY SENSOR" at 3478.28,-1310 h60 r90
  text "LIFT MOTOR DRIVER" at -35.28,-1408 h60 r270
  text "CAN" at 3479.33,-1945 h60 r90
  text "SERVOS" at 2510,-2570.28 h60
  text "MOTOR DRIVER" at 685,-2572.28 h60
  text "ENCODER CHANNELS" at 1375,-2574.28 h60
Mechanical 4:
  lines w10: -61,-2 cw(c16.5,0.5) 14,78 3422,77 cw(c3424.5,-0.5) 3502,2 3502,-2518 cw(c3424.5,-2520.5) 3427,-2598 23,-2597 cw(c20.5,-2519.61) -56.88,-2522.11 -60.64,-2